# Altium PCB openmv-ae3.PcbDoc (part 1 of 5) (continued)
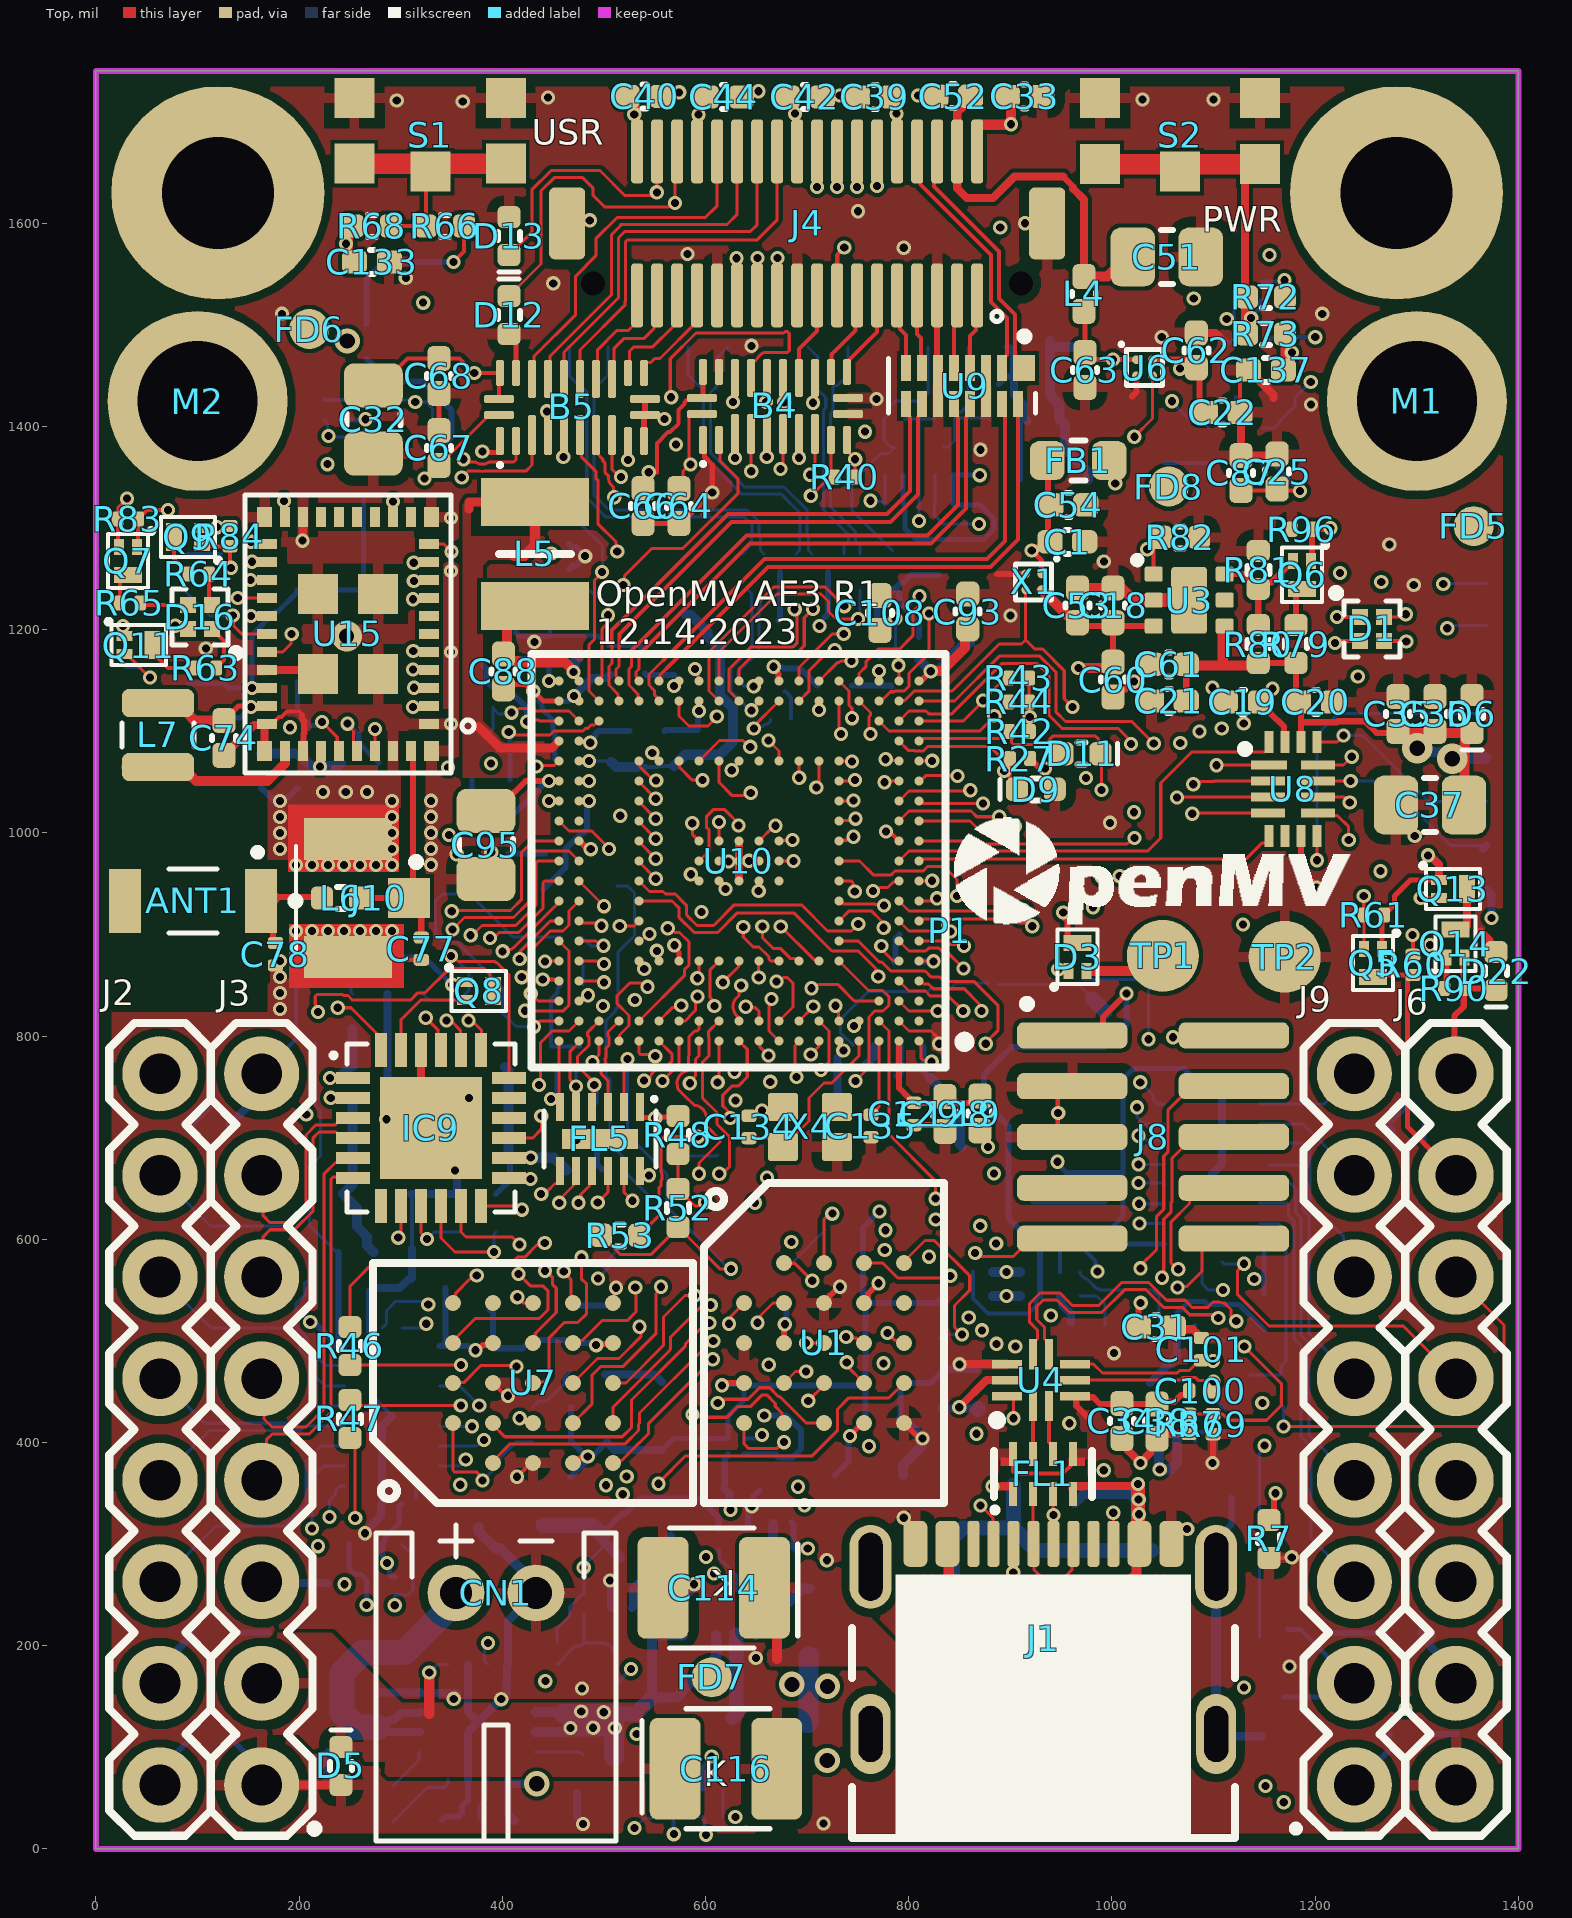
[diagram p0: Top view]
## Components (designator, comment, footprint, x,y, rotation, side; value= is the part's Value field where it differs from the comment) (continued)

## Footprints (in the part's own frame and the unit in brackets; to place one, negate y for a bottom-side part, rotate by r counter-clockwise, add the part's x,y. Pads: shape width x height; smd on the part's side, far side on the other; paste and mask are expansions set on the pad)
1X08 [mil] "1X08"
  round 74 hole 40: 1(0,0) 2(100,0) 3(200,0) 4(300,0) 5(400,0) 6(500,0) 7(600,0) 8(700,0)
  silkscreen extent -50,-50 750,50, body extent -51,-50 749,50, height 335
24-TBGA [mm]
  round 0.4 smd mask+0.051: A2(-1,2) A3(0,2) A4(1,2) A5(2,2) B1(-2,1) B2(-1,1) B3(0,1) B4(1,1) B5(2,1) C1(-2,0) C2(-1,0) C3(0,0) C4(1,0) C5(2,0) D1(-2,-1) D2(-1,-1) D3(0,-1) D4(1,-1) D5(2,-1) E1(-2,-2) E2(-1,-2) E3(0,-2) E4(1,-2) E5(2,-2)
  silkscreen extent -3,-4 3,4, body extent -3,-4 3,4, height 0.51
0402 [mm] "Chip Resistor, 2-Leads, Body  0402 (in) 1005 (mm), IPC Medium Density"
  rrect51% 0.55x0.58 smd mask+0.05: 1(-0.475,0) 2(0.475,0)
  silkscreen extent -0.1,-0.28 0.1,0.28, body extent -0.5,-0.25 0.5,0.25, height 0.34
0402-CAP [mm] "Chip Capacitor, 2-Leads, Body  0402 (in) 1005 (mm), IPC Medium Density"
  rrect52% 0.63x0.58 smd mask+0.05: 1(-0.435,0) 2(0.435,0)
  silkscreen extent -0.05,-0.3 0.05,0.3, body extent -0.5,-0.25 0.5,0.25, height 0.5
0402-RES [mm] "Chip Resistor, 2-Leads, Body  0402 (in) 1005 (mm), IPC Medium Density"
  rrect51% 0.55x0.58 smd mask+0.05: 1(-0.475,0) 2(0.475,0)
  silkscreen extent -0.1,-0.28 0.1,0.28, body extent -0.5,-0.25 0.5,0.25, height 0.34
0603-RES [mm]
  rrect51% 0.87x0.97 smd mask+0.05: 1(-0.8,0) 2(0.75,0)
  silkscreen extent -0.2,-0.5 0.15,0.5, body extent -0.8,-0.4 0.8,0.4, height 0.45
0805 [mm] "Chip Capacitor, Body 0805 imperial, 2.0x1.2mm, IPC Medium Density"
  rrect45% 1.11x1.47 smd mask+0.05: 1(-0.85,0) 2(0.85,0)
  silkscreen extent -0.15,-0.67 0.15,0.67, body extent -1,-0.62 1,0.63, height 1.25
23370191-NO-3D [mm] "23370191"
  rect 1x1.05 smd: 1(0,-1.525)
  rect 1.05x2.2 smd: 2(-1.475,0) 3(1.475,0)
  silkscreen extent -1.3,-1.8 1.3,1.3
1040310811 [mm] "1040310811"
  rect 1.2x1 smd: CD$1(5.747,4.438) CD$2(5.747,0.738)
  rect 0.85x1.1 smd: P$1(3.112,-5.412) P$2(2.013,-5.412) P$3(0.912,-5.412) P$4(-0.188,-5.412) P$5(-1.287,-5.412) P$6(-2.387,-5.412) P$7(-3.488,-5.412)
  rect 0.75x1.1 smd: P$8(-4.538,-5.412)
  rect 1.17x1.8 smd: SH(-5.747,-5.062)
  rect 1.9x1.35 smd: SH(-3.722,5.412) SH(2.248,5.412)
  rect 1.55x1.35 smd: SH(5.573,-5.288)
  silkscreen extent -5.99,-4.44 6.03,5.74, body extent -5.94,-5.66 6.01,5.74, height 1.46
9774030243R [mm] "Round Standoff Threaded M2x0.4 Steel 0.118\" (3.00mm)"
  round 4.5 hole 3 mask+0.05: 1(0,0)
  body extent -2.17,-2.17 2.18,2.17, height 3.01
ANTC3216X140N [mm] "ANTC3216X140N"
  rect 0.8x1.6 smd: 1(-1.7,0) 2(1.7,0)
  silkscreen extent -2.66,-0.8 0.6,0.8, body extent -1.6,-0.8 1.6,0.8, height 1.2
AP22916CCA4-7 [mm]
  round 0.22 smd mask+0.05: A1(-0.2,0.2) A2(0.2,0.2) B1(-0.2,-0.2) B2(0.2,-0.2)
  Top pour cut-out: -0.4,0.4 -0.4,-0.4 0.4,-0.4 0.4,0.4 0.375,0.4
  silkscreen extent -0.62,-0.45 0.45,0.62, body extent -0.4,-0.4 0.4,0.4, height 0.51
"BGA194 _CENTERED" [mil]
  round 8.7 smd mask+1: A1(-177.2,177.2) A2(-157.52,177.2) A3(-137.83,177.2) A4(-118.15,177.2) A5(-98.46,177.2) A6(-78.78,177.2) A7(-59.09,177.2) A8(-39.4,177.2) A9(-19.72,177.2) A10(-0.04,177.2) A11(19.65,177.2) A12(39.34,177.2) A13(59.02,177.2) A14(78.7,177.2) A15(98.39,177.2) A16(118.08,177.2) A17(137.76,177.2) A18(157.44,177.2) A19(177.13,177.2) B1(-177.2,157.51) B2(-157.52,157.51) B3(-137.83,157.51) B4(-118.14,157.51) B5(-98.46,157.51) B6(-78.78,157.51) B7(-59.09,157.51) B8(-39.4,157.51) B9(-19.72,157.51) B10(-0.04,157.51) B11(19.65,157.51) B12(39.34,157.51) B13(59.02,157.51) B14(78.7,157.51) B15(98.39,157.51) B16(118.08,157.51) B17(137.76,157.51) B18(157.44,157.51) B19(177.13,157.51) C1(-177.2,137.83) C2(-157.52,137.83) C3(-137.83,137.83) C18(157.44,137.83) C19(177.13,137.83) D1(-177.2,118.14) D2(-157.52,118.14) D18(157.44,118.14) D19(177.13,118.15) E1(-177.2,98.46) E2(-157.52,98.46) E5(-98.46,98.46) E6(-78.78,98.46) E7(-59.09,98.46) E8(-39.4,98.46) E9(-19.72,98.46) E10(-0.04,98.46) E11(19.65,98.46) E12(39.34,98.46) E13(59.02,98.46) E14(78.7,98.46) E15(98.39,98.46) E18(157.44,98.46) E19(177.13,98.46) F1(-177.2,78.77) F2(-157.52,78.77) F5(-98.46,78.77) F15(98.39,78.77) F18(157.44,78.77) F19(177.13,78.77) G1(-177.2,59.09) G2(-157.52,59.09) G5(-98.46,59.09) G15(98.39,59.09) G18(157.44,59.09) G19(177.13,59.09) H1(-177.2,39.4) H2(-157.52,39.4) H5(-98.46,39.4) H15(98.39,39.4) H18(157.44,39.4) H19(177.13,39.4) J1(-177.2,19.72) J2(-157.52,19.72) J5(-98.46,19.72) J8(-39.4,19.72) J9(-19.72,19.72) J10(-0.04,19.72) J11(19.65,19.72) J12(39.34,19.72) J15(98.39,19.72) J18(157.44,19.72) J19(177.13,19.72) K1(-177.2,0.03) K2(-157.52,0.03) K5(-98.46,0.03) K8(-39.4,0.03) K9(-19.72,0.03) K10(-0.04,0.03) K11(19.65,0.03) K12(39.34,0.03) K15(98.39,0.03) K18(157.44,0.03) K19(177.13,0.03) L1(-177.2,-19.65) L2(-157.52,-19.65) L5(-98.46,-19.65) L8(-39.4,-19.65) L9(-19.72,-19.65) L10(-0.04,-19.65) L11(19.65,-19.65) L12(39.34,-19.65) L15(98.39,-19.65) L18(157.44,-19.65) L19(177.13,-19.65) M1(-177.2,-39.34) M2(-157.52,-39.34) M5(-98.46,-39.34) M15(98.39,-39.34) M18(157.44,-39.34) M19(177.13,-39.34) N1(-177.2,-59.02) N2(-157.52,-59.02) N5(-98.46,-59.02) N15(98.39,-59.02) N18(157.44,-59.02) N19(177.13,-59.02) P1(-177.2,-78.7) P2(-157.52,-78.7) P5(-98.46,-78.7) P15(98.39,-78.7) P18(157.44,-78.7) P19(177.13,-78.7) R1(-177.2,-98.39) R2(-157.52,-98.39) R5(-98.46,-98.39) R6(-78.78,-98.39) R7(-59.09,-98.39) R8(-39.4,-98.39) R9(-19.72,-98.39) R10(-0.04,-98.39) R11(19.65,-98.39) R12(39.34,-98.39) R13(59.02,-98.39) R14(78.7,-98.39) R15(98.39,-98.39) R18(157.44,-98.39) R19(177.13,-98.39) T1(-177.2,-118.07) T2(-157.52,-118.07) T18(157.44,-118.07) T19(177.13,-118.07) U1(-177.2,-137.76) U2(-157.52,-137.76) U3(-137.83,-137.76) U17(137.76,-137.76) U18(157.44,-137.76) U19(177.13,-137.76) V1(-177.2,-157.45) V2(-157.52,-157.45) V3(-137.83,-157.45) V4(-118.14,-157.45) V5(-98.46,-157.45) V6(-78.78,-157.45) V7(-59.09,-157.45) V8(-39.4,-157.45) V9(-19.72,-157.45) V10(-0.04,-157.45) V11(19.65,-157.45) V12(39.34,-157.45) V13(59.02,-157.45) V14(78.7,-157.45) V15(98.39,-157.45) V16(118.08,-157.45) V17(137.76,-157.45) V18(157.44,-157.45) V19(177.13,-157.45) W1(-177.2,-177.13) W2(-157.52,-177.13) W3(-137.83,-177.13) W4(-118.14,-177.13) W5(-98.46,-177.13) W6(-78.78,-177.13) W7(-59.09,-177.13) W8(-39.4,-177.13) W9(-19.72,-177.13) W10(-0.04,-177.13) W11(19.65,-177.13) W12(39.34,-177.13) W13(59.02,-177.13) W14(78.7,-177.13) W15(98.39,-177.13) W16(118.08,-177.13) W17(137.76,-177.13) W18(157.44,-177.13) W19(177.13,-177.13)
  silkscreen extent -227,-204 204,203, body extent -197,-198 198,198, height 36
C0201 [mil] "0201 IPC-7351"
  rrect50% 12x15 smd mask+1.97: 1(-11,0) 2(11,0)
  body extent -12,-6 12,6, height 14
C0201-NO-3D [mil] "0201 IPC-7351"
  rrect50% 12x15 smd mask+1.97: 1(-11,0) 2(11,0)
C0402 [mm] "Chip Capacitor, 2-Leads, Body  0402 (in) 1005 (mm), IPC Medium Density"
  rrect52% 0.63x0.58 smd mask+0.05: 1(-0.435,0) 2(0.435,0)
  silkscreen extent -0.05,-0.3 0.05,0.3, body extent -0.5,-0.25 0.5,0.25, height 0.5
CAP-TANT-1411 [mil] "IPC 7351 1206"
  rrect30% 50x100 smd: 1(-50,0) 2(50,0)
  silkscreen extent -83,-59 43,59, body extent -67,-59 67,59, height 85
CAPC0603X33N [mil] "CAPC0603X33N"
  rrect50% 12x15 smd mask+1.97: 1(-10.97,-0.04) 2(11.03,-0.04)
  body extent -12,-6 12,6, height 14
CNC_3221-10-0300-00 [mm] "CNC_3221-10-0300-00"
  rrect50% 0.65x2.76 smd: 1(-2.54,-2.02) 2(-2.54,2.02) 3(-1.27,-2.02) 4(-1.27,2.02) 5(0,-2.02) 6(0,2.02) 7(1.27,-2.02) 8(1.27,2.02) 9(2.54,-2.02) 10(2.54,2.02)
  silkscreen extent -3.43,-3.25 -3.23,-3.05, body extent -3.18,-2.92 3.18,2.92, height 6.13
CON15_1X15_DRB_SFW_JAE [mil]
  rect 24x79 smd mask+4: 1(275,-132.56) 2(235.63,-132.56) 3(196.26,-132.56) 4(156.89,-132.56) 5(117.52,-132.56) 6(78.15,-132.56) 7(38.78,-132.56) 8(-0.59,-132.56) 9(-39.96,-132.56) 10(-79.33,-132.56) 11(-118.7,-132.56) 12(-158.07,-132.56) 13(-197.44,-132.56) 14(-236.81,-132.56) 15(-276.18,-132.56)
  rect 28x165 smd mask+4: M1(315.04,-45.28) M2(-314.96,-45.28)
  silkscreen extent -415,-156 414,106, body extent -409,-154 409,102, height 106
CPDQT5V0HEHF [mm] "CPDQT5V0HEHF"
  rrect51% 0.55x0.58 smd mask+0.05: 1(-0.475,0) 2(0.475,0)
  silkscreen extent -0.9,-0.27 0.1,0.28, body extent -0.5,-0.25 0.5,0.25, height 0.34
DF12-36-DS [mm] "DF12-36-DS"
  rrect50% 0.3x1.6 smd paste+0 mask+0.05: 1(4.25,-1.8) 2(4.25,1.8) 3(3.75,-1.8) 4(3.75,1.8) 5(3.25,-1.8) 6(3.25,1.8) 7(2.75,-1.8) 8(2.75,1.8) 9(2.25,-1.8) 10(2.25,1.8) 11(1.75,-1.8) 12(1.75,1.8) 13(1.25,-1.8) 14(1.25,1.8) 15(0.75,-1.8) 16(0.75,1.8) 17(0.25,-1.8) 18(0.25,1.8) 19(-0.25,-1.8) 20(-0.25,1.8) 21(-0.75,-1.8) 22(-0.75,1.8) 23(-1.25,-1.8) 24(-1.25,1.8) 25(-1.75,-1.8) 26(-1.75,1.8) 27(-2.25,-1.8) 28(-2.25,1.8) 29(-2.75,-1.8) 30(-2.75,1.8) 31(-3.25,-1.8) 32(-3.25,1.8) 33(-3.75,-1.8) 34(-3.75,1.8) 35(-4.25,-1.8) 36(-4.25,1.8)
  rrect30% 0.9x1.8 smd: M(-6,0) M(6,0)
  round 0 hole 0.6 unplated: MH1(5.35,-1.5) MH2(-5.35,-1.5)
  silkscreen extent 4.62,-2.45 4.87,-2.2, body extent -6.05,-2.3 6.05,2.3, height 2.7
DFN1006 [mm]
  rect 0.4x0.25 smd paste+0 mask+0.05: 1(-0.35,0.225) 2(-0.35,-0.225)
  rect 0.4x0.7 smd paste+0 mask+0.05: 3(0.35,0)
  silkscreen extent -0.81,-0.5 0.68,0.64, body extent -0.5,-0.31 0.5,0.31, height 0.5
DFN2020-6 [mm]
  rrect20% 0.45x0.37 smd mask+0.05: 1(-0.887,0.65) 2(-0.887,0) 3(-0.887,-0.65) 4(0.888,-0.65) 5(0.887,0) 6(0.888,0.65)
  rrect20% 0.9x1.67 smd mask+0.05: 2(0,-0.006)
  Top region: -0.823,-0.175 -0.375,-0.175 -0.375,0.175 -0.823,0.175
  silkscreen extent -1.38,0.92 -1.22,1.08, body extent -1.01,-0.95 0.99,0.95, height 0.51
DHVQFN20_SOT764-1_NEX [mm]
  rect 0.3x0.808 smd mask+0.051: 1(-0.25,2.195) 10(-0.25,-2.195) 11(0.25,-2.195) 20(0.25,2.195)
  rect 0.808x0.3 smd mask+0.051: 2(-1.191,1.75) 3(-1.191,1.25) 4(-1.191,0.75) 5(-1.191,0.25) 6(-1.191,-0.25) 7(-1.191,-0.75) 8(-1.191,-1.25) 9(-1.191,-1.75) 12(1.191,-1.75) 13(1.191,-1.25) 14(1.191,-0.75) 15(1.191,-0.25) 16(1.191,0.25) 17(1.191,0.75) 18(1.191,1.25) 19(1.191,1.75)
  rect 1.143x3.15 smd mask+0.051: EP(0,0)
  silkscreen extent -1.83,-2.43 1.42,2.75, body extent -1.3,-2.3 1.3,2.3, height 0.99
ECMF024CMX8 [mil] "ECMF024CMX8"
  rect 7.87x23.62 smd: 1(-29.53,-19.69) 2(-9.84,-19.69) 3(9.84,-19.69) 4(29.53,-19.69) 5(29.53,19.69) 6(9.84,19.69) 7(-9.84,19.69) 8(-29.53,19.69)
  Top region: 25.59,7.88 25.59,15.76 41.34,15.76 41.34,7.88
  Top region: 25.59,-7.88 25.59,-15.76 41.34,-15.76 41.34,-7.88
  Top region: -25.59,-7.88 -25.59,-15.76 -41.34,-15.76 -41.34,-7.88
  Top region: -25.59,7.88 -25.59,15.76 -41.34,15.76 -41.34,7.88
  silkscreen extent -50,-38 48,23, body extent -49,-24 49,24, height 20
FIDUCIAL-1X2 [mm] "FIDUCIAL-1X2"
  rrect100% 1x1 smd paste+0: 1(0,0)
GCT_USB4105-GF-A [mm] "GCT_USB4105-GF-A"
  round 0 hole 0.65 unplated: 0(-2.89,3.68) 0(2.89,3.68)
  rrect50% 0.6x1.15 smd mask+0: A1_B12(-3.2,4.755) A4_B9(-2.4,4.755) B1_A12(3.2,4.755) B4_A9(2.4,4.755)
  rrect50% 0.3x1.15 smd mask+0: A5(-1.25,4.755) A6(-0.25,4.755) A7(0.25,4.755) A8(1.25,4.755) B5(1.75,4.755) B6(0.75,4.755) B7(-0.75,4.755) B8(-1.75,4.755)
  oval 1x2 hole 0.6 slot 1.4 at 90 deg: SH(-4.32,0) SH(4.32,0)
  oval 1.05x2.1 hole 0.6 slot 1.7 at 90 deg: SH(-4.32,4.18) SH(4.32,4.18)
  silkscreen extent -4.79,-2.6 4.79,2.65, body extent -4.79,-2.6 4.79,5.11, height 3.31
IC_EMI8143MUTAG [mm]
  rect 0.65x0.55 smd mask+0.051: 1(-0.45,1.55)
  rect 0.65x0.25 smd mask+0.051: 2(-0.45,1) 4(-0.45,0.2) 5(-0.45,-0.2) 7(-0.45,-1) 8(-0.45,-1.4) 9(0.45,-1.4) 10(0.45,-1) 12(0.45,-0.2) 13(0.45,0.2) 15(0.45,1) 16(0.45,1.4)
  rect 1.55x0.25 smd mask+0.051: 3_14(0,0.6) 6_11(0,-0.6)
  silkscreen extent -1.34,-1.84 0.68,1.84, body extent -0.68,-1.75 0.68,1.75, height 0.51
IND3225X100N [mm]
  rect 1.2x2.7 smd: 1(-1.3,0) 2(1.3,0)
  silkscreen extent 0,-0.9 0,0.9, body extent -1.6,-1.2 1.6,1.2, height 1
INDC2016X100N [mm] "INDC2016X100N"
  rrect50% 0.7x1.8 smd: 1(-0.8,0) 2(0.8,0)
  silkscreen extent -0.3,-0.9 0.3,0.9, body extent -1,-0.8 1,0.8, height 1
JST-PH-2-THM-RA [mil] "JST-PH-2-THM-RA"
  round 56 hole 31.5: 1(39.37,0) 2(-39.37,0)
  silkscreen extent -118,-67 118,244, body extent -118,-59 118,244, height 195
KMS231GLFS#1 [mm]
  rect 1x1 smd: 1(-1.88,-0.825) 2(-1.88,0.813) 3(0,1.016) 4(1.905,0.813) 5(1.905,-0.825)
  body extent -2.3,-2.15 2.3,1.4, height 1.43
KMS231GLFS#2 [mm]
  rect 1x1 smd: 1(-2,-0.825) 2(-2,0.825) 3(0,1.016) 4(2,0.825) 5(2,-0.825)
  body extent -2.3,-2.15 2.3,1.4, height 1.43
LED_UHD1110-FKA-CL1A13R3Q1BBQFMF3 [mil] "LED_UHD1110-FKA-CL1A13R3Q1BBQFMF3"
  rect 15.75x15.75 smd: 1(-11.81,11.81) 2(-11.81,-11.81) 3(11.81,-11.81) 4(11.81,11.81)
  silkscreen extent -39,-28 28,39, body extent -20,-20 20,20, height 24
MP34DT05TRA [mm]
  rect 0.4x0.95 smd: 1(-0.45,0.675) 2(-0.45,-0.675) 3(0.45,-0.675) 4(0.45,0.675)
  rect 0.35x2.3 smd: 5(-1.225,0) 6(1.225,0)
  rect 1.3x0.35 smd: 7(0,1.725) 8(0,-1.725)
  silkscreen extent -1.5,-2 1.5,2, body extent -1.5,-2 1.5,2, height 1
MXC4005XC [mm] "MXC4005XC"
  rect 0.25x0.3 smd: 1(-0.22,0.46) 2(-0.22,0) 3(-0.22,-0.46) 4(0.22,-0.46) 5(0.22,0) 6(0.22,0.46)
  silkscreen extent -0.77,-0.85 0.59,1.07, body extent -0.6,-0.8 0.6,0.8, height 0.62
NVT4858HKZ [mm]
  rect 0.9x0.22 smd paste-0.025 mask+0.05: 1(-0.6,0.6)
  rect 0.85x0.22 smd paste-0.025 mask+0: 2(-0.625,0.2) 3(-0.625,-0.2) 4(-0.625,-0.6) 9(0.625,-0.6) 10(0.625,-0.2) 11(0.625,0.2) 12(0.625,0.6)
  rect 0.22x0.55 smd paste-0.025 mask+0.05: 5(-0.6,-1.175) 6(-0.2,-1.175) 7(0.2,-1.175) 8(0.6,-1.175) 13(0.6,1.175) 14(0.2,1.175) 15(-0.2,1.175) 16(-0.6,1.175)
  silkscreen extent -1.3,0.9 -1.1,1.1, body extent -0.9,-1.3 0.9,1.3, height 0.5
NXS0102GTX [mm]
  rect 0.4x0.3 smd mask+0.051: 1(-0.3,0.75) 2(-0.3,0.25) 3(-0.3,-0.25) 4(-0.3,-0.75) 5(0.3,-0.75) 6(0.3,-0.25) 7(0.3,0.25) 8(0.3,0.75)
  silkscreen extent -1,0.7 -0.9,0.8, body extent -0.5,-0.97 0.5,0.97, height 0.51
OMV-LOGO-SMALL [mil] "OMV-LOGO-SMALL"
  silkscreen extent 4,6 394,112
QFN50P300X300X100-17N [mil] "QFN50P300X300X100-17N"
  rrect25% 33.86x10.24 smd mask+2: 1(-56.5,29.53) 2(-56.5,9.84) 3(-56.5,-9.84) 4(-56.5,-29.53) 9(56.5,-29.53) 10(56.5,-9.84) 11(56.5,9.84) 12(56.5,29.53)
  rrect25% 10.24x33.86 smd mask+2: 5(-29.53,-56.5) 6(-9.84,-56.5) 7(9.84,-56.5) 8(29.53,-56.5) 13(29.53,56.5) 14(9.84,56.5) 15(-9.84,56.5) 16(-29.53,56.5)
  rect 64x64 smd paste+0 mask+2: 17(0,0)
  silkscreen extent -75,-59 59,63, body extent -59,-59 59,59, height 39
QFN50P400X400X90-25N [mil] "QFN50P400X400X90-25N"
  rect 33.46x11.81 smd mask+1.97: 1(-76.77,49.21) 2(-76.77,29.53) 3(-76.77,9.84) 4(-76.77,-9.84) 5(-76.77,-29.53) 6(-76.77,-49.21) 13(76.77,-49.21) 14(76.77,-29.53) 15(76.77,-9.84) 16(76.77,9.84) 17(76.77,29.53) 18(76.77,49.21)
  rect 11.81x33.46 smd mask+1.97: 7(-49.21,-76.77) 8(-29.53,-76.77) 9(-9.84,-76.77) 10(9.84,-76.77) 11(29.53,-76.77) 12(49.21,-76.77) 19(49.21,76.77) 20(29.53,76.77) 21(9.84,76.77) 22(-9.84,76.77) 23(-29.53,76.77) 24(-49.21,76.77)
  rect 100.39x100.39 smd mask+1.97: 25(0,0)
  silkscreen extent -98,-83 83,83, body extent -79,-79 79,79, height 39
R0201 [mil] "0201 IPC-7351"
  rrect50% 12x15 smd mask+1.97: 1(-10,0) 2(10,0)
  body extent -12,-6 12,6, height 9
r0201 [mil] "0201 IPC-7351"
  rrect50% 12x15 smd mask+1.97: 1(-10,0) 2(10,0)
  body extent -12,-6 12,6, height 9
ROHS [mil] "ROHS"
  silkscreen extent 0,-1 158,160
SN74AXC8T245RJWR [mm]
  rrect50% 0.7x0.2 smd mask+0.051: 1(-0.85,1.8) 2(-0.85,1.4) 9(-0.85,-1.4) 10(-0.85,-1.8)
  rrect50% 1x0.2 smd mask+0.051: 3(-0.7,1) 4(-0.7,0.6) 5(-0.7,0.2) 6(-0.7,-0.2) 7(-0.7,-0.6) 8(-0.7,-1)
  rrect50% 0.2x0.75 smd mask+0.051: 11(-0.2,-1.825) 12(0.2,-1.825) 23(0.2,1.825) 24(-0.2,1.825)
  rrect50% 0.65x0.2 smd mask+0.051: 13(0.85,-1.8) 14(0.85,-1.4) 21(0.85,1.4) 22(0.85,1.8)
  rrect50% 0.95x0.2 smd mask+0.051: 15(0.7,-1) 16(0.7,-0.6) 17(0.7,-0.2) 18(0.7,0.2) 19(0.7,0.6) 20(0.7,1)
  silkscreen extent -1.5,1.75 -1.4,1.85, body extent -1,-2.02 1.02,1.97, height 0.51
SON40P150X250X65-13N [mil] "SON40P150X250X65-13N"
  rect 27.56x7.87 smd: 1(-31.5,39.37) 2(-31.5,23.62) 3(-31.5,7.87) 4(-31.5,-7.87) 5(-31.5,-23.62) 6(-31.5,-39.37) 7(31.5,-39.37) 8(31.5,-23.62) 9(31.5,-7.87) 10(31.5,7.87) 11(31.5,23.62) 12(31.5,39.37)
  rect 19.69x74.8 smd: 13(0,0)
  silkscreen extent -41,-55 28,55, body extent -30,-49 30,49, height 24
SON45P300X300X80-13N [mm]
  rrect50% 0.85x0.25 smd mask+0.051: 1(-1.45,1.125) 2(-1.45,0.675) 3(-1.45,0.225) 4(-1.45,-0.225) 5(-1.45,-0.675) 6(-1.45,-1.125) 7(1.45,-1.125) 8(1.45,-0.675) 9(1.45,-0.225) 10(1.45,0.225) 11(1.45,0.675) 12(1.45,1.125)
  rect 1.65x2.55 smd paste-0.254 mask+0.051: 13(0,0)
  silkscreen extent -1.81,-1.5 1.5,1.65, body extent -1.5,-1.5 1.5,1.5, height 0.5
SOT-23-3 [mm]
  rrect50% 0.7x1.2 smd: 1(-1,-1.3) 2(1,-1.3) 3(0,1.3)
  silkscreen extent -1.9,-1.65 1.55,0.9, body extent -1.5,-1.42 1.5,1.42, height 1.11
SOT-23-3-FET [mm]
  rrect50% 0.7x1.2 smd: D(0,1.3) G(-1,-1.3) S(1,-1.3)
  silkscreen extent -1.91,-1.65 1.55,0.9, body extent -1.5,-1.42 1.5,1.42, height 1.11
SOTFL50P160X60-8N [mil] "SOTFL50P160X60-8N"
  rect 18.7x11.81 smd mask+2: 1(-32.99,29.53) 2(-32.99,9.84) 3(-32.99,-9.84) 4(-32.99,-29.53) 5(32.99,-29.53) 6(32.99,-9.84) 7(32.99,9.84) 8(32.99,29.53)
  silkscreen extent -35,-41 10,46, body extent -24,-43 24,43, height 24
TC7USB42MU,LF(S2E [mm]
  rect 0.757x0.204 smd paste+0 mask+0: 1(-0.645,0.2) 2(-0.645,-0.2) 6(0.645,-0.2) 7(0.645,0.2)
  rect 0.204x0.757 smd paste+0 mask+0: 3(-0.4,-0.848) 4(0,-0.848) 5(0.4,-0.848) 8(0.4,0.848) 9(0,0.848) 10(-0.4,0.848)
  silkscreen extent -1.1,1 -0.9,1.2, body extent -0.7,-0.9 0.7,0.9, height 0.5
TP_1p8 [mm]
  round 1.8 smd paste-2: 1(0,0)
TPS62826ADMQR [mm]
  rect 0.6x0.25 smd mask+0.05: 1(-0.65,0.5) 2(-0.65,0) 3(-0.65,-0.5)
  rect 1x0.25 smd mask+0.05: 4(0.45,-0.5) 5(0.45,0) 6(0.45,0.5)
  silkscreen extent -1,0.75 -0.9,0.85, body extent -0.76,-0.74 0.73,0.74, height 0.5
WEEE [mil] "WEEE"
  silkscreen extent -1,-1 150,148
XCVR_LBEE5KL1DX-TEMP [mm] "XCVR_LBEE5KL1DX-TEMP"
  rect 0.5x0.25 smd mask+0.051: 1(-2.025,2.25) 2(-2.025,1.8) 3(-2.025,1.35) 4(-2.025,0.9) 5(-2.025,0.45) 6(-2.025,0) 7(-2.025,-0.45) 8(-2.025,-0.9) 9(-2.025,-1.35) 10(-2.025,-1.8) 11(-2.025,-2.25) 22(2.025,-2.25) 23(2.025,-1.8) 24(2.025,-1.35) 25(2.025,-0.9) 26(2.025,-0.45) 27(2.025,0) 28(2.025,0.45) 29(2.025,0.9) 30(2.025,1.35) 31(2.025,1.8) 32(2.025,2.25)
  rect 0.375x0.5 smd mask+0.051: 12(-2.088,-2.925) 21(2.088,-2.925) 33(2.088,2.925) 42(-2.088,2.925)
  rect 0.25x0.5 smd mask+0.051: 13(-1.575,-2.925) 14(-1.125,-2.925) 15(-0.675,-2.925) 16(-0.225,-2.925) 17(0.225,-2.925) 18(0.675,-2.925) 19(1.125,-2.925) 20(1.575,-2.925) 34(1.575,2.925) 35(1.125,2.925) 36(0.675,2.925) 37(0.225,2.925) 38(-0.225,2.925) 39(-0.675,2.925) 40(-1.125,2.925) 41(-1.575,2.925)
  rect 1x1 smd mask+0.051: 43(-0.75,1) 44(-0.75,-1) 45(0.75,1) 46(0.75,-1)
  silkscreen extent -3.15,-3.47 2.58,3.47, body extent -2.5,-3.5 2.5,3.5, height 1.1
XTAL_2016 [mm] "2.0x1.6mm"
  rrect20% 0.75x0.7 smd mask+0.05: 1(-0.675,-0.5) 2(0.675,-0.5) 3(0.675,0.5) 4(-0.675,0.5)
  body extent -1,-0.8 1,0.8, height 0.65
XTAL_3225 [mm]
  rrect25% 1.3x1.1 smd: 1(-1.15,-0.9) 2(1.15,-0.9) 3(1.15,0.9) 4(-1.15,0.9)
  silkscreen extent -2.45,-1.25 0.3,1.25, body extent -1.6,-1.25 1.6,1.25, height 0.8
XTAL_ABS07-32.768KHZ-7-T [mm] "XTAL_ABS07-32.768KHZ-7-T"
  rect 1.1x1.6 smd: 1(-1.25,0) 2(1.25,0)
  silkscreen extent -0.38,-0.75 0.38,0.75, body extent -1.6,-0.7 1.6,0.7, height 1